# Altium PCB 中子法测量土壤水分_V1.5.PcbDoc
Units mil, origin at the board's own origin, x right, y up, seen from the top; angles counter-clockwise.
Board outline 3543.31 x 2393.7 mil, 4 copper layers (Top Layer, Signal Layer1, Signal Layer2, Bottom Layer), stack 30.634 mil thick; 164 components, 104 nets, 491 pads, 224 vias.
Unrouted connection lines stored in the file: 1.
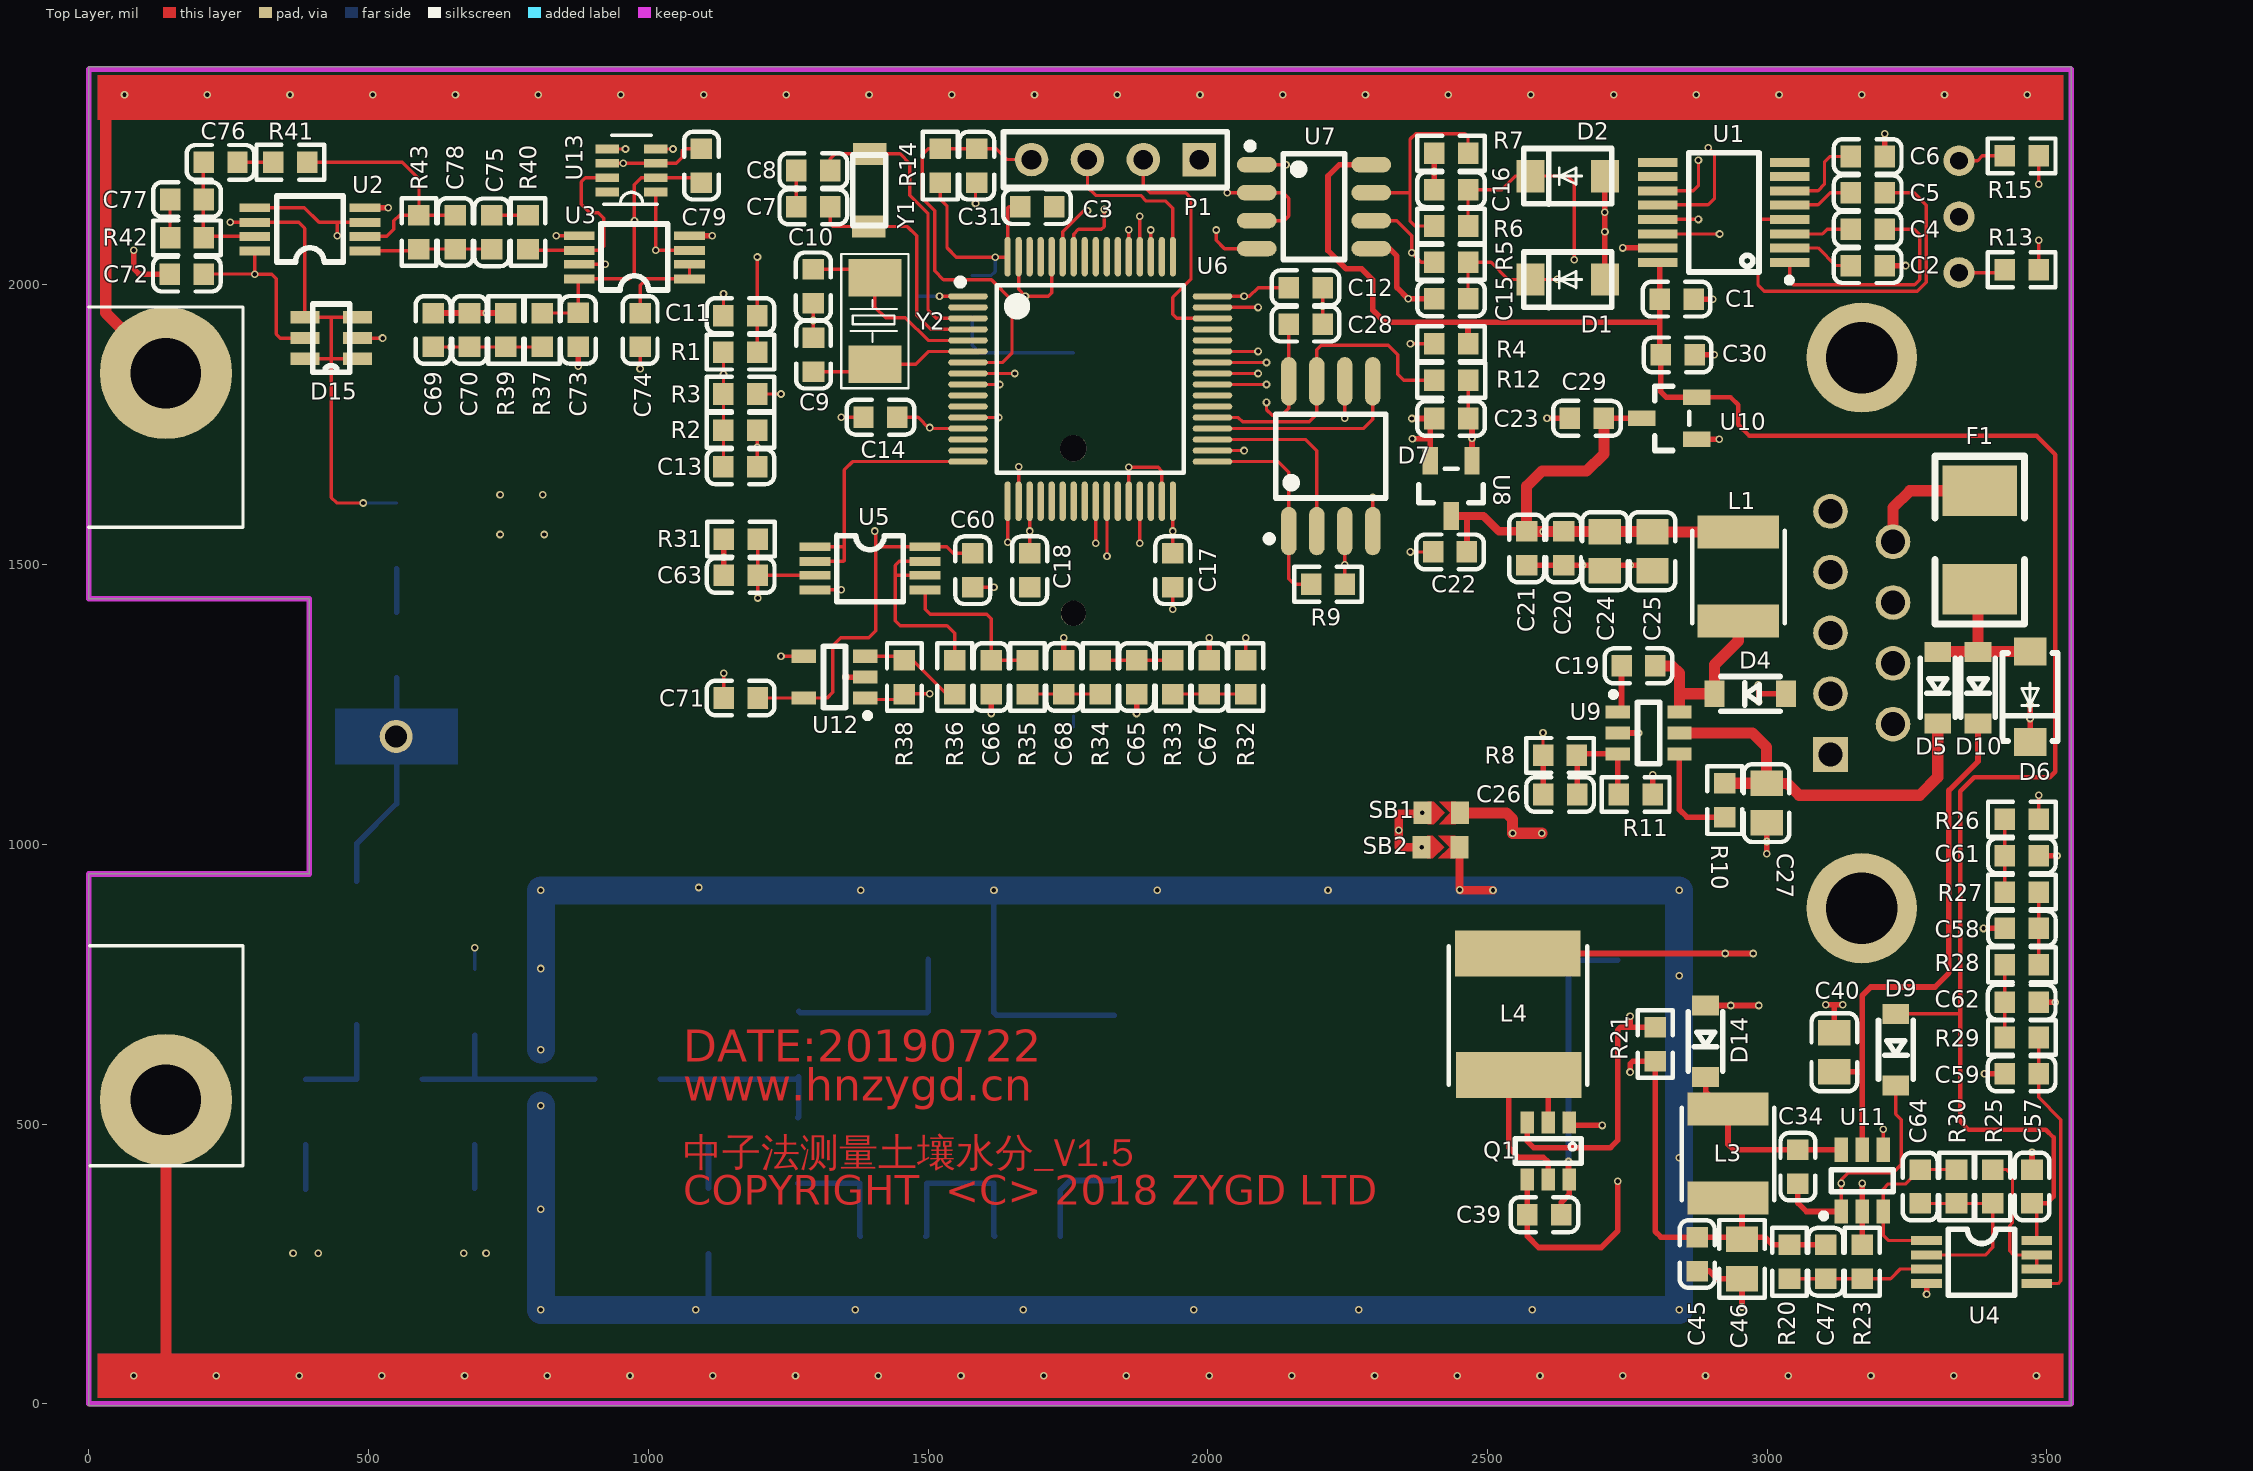
[diagram p0: Top Layer view]
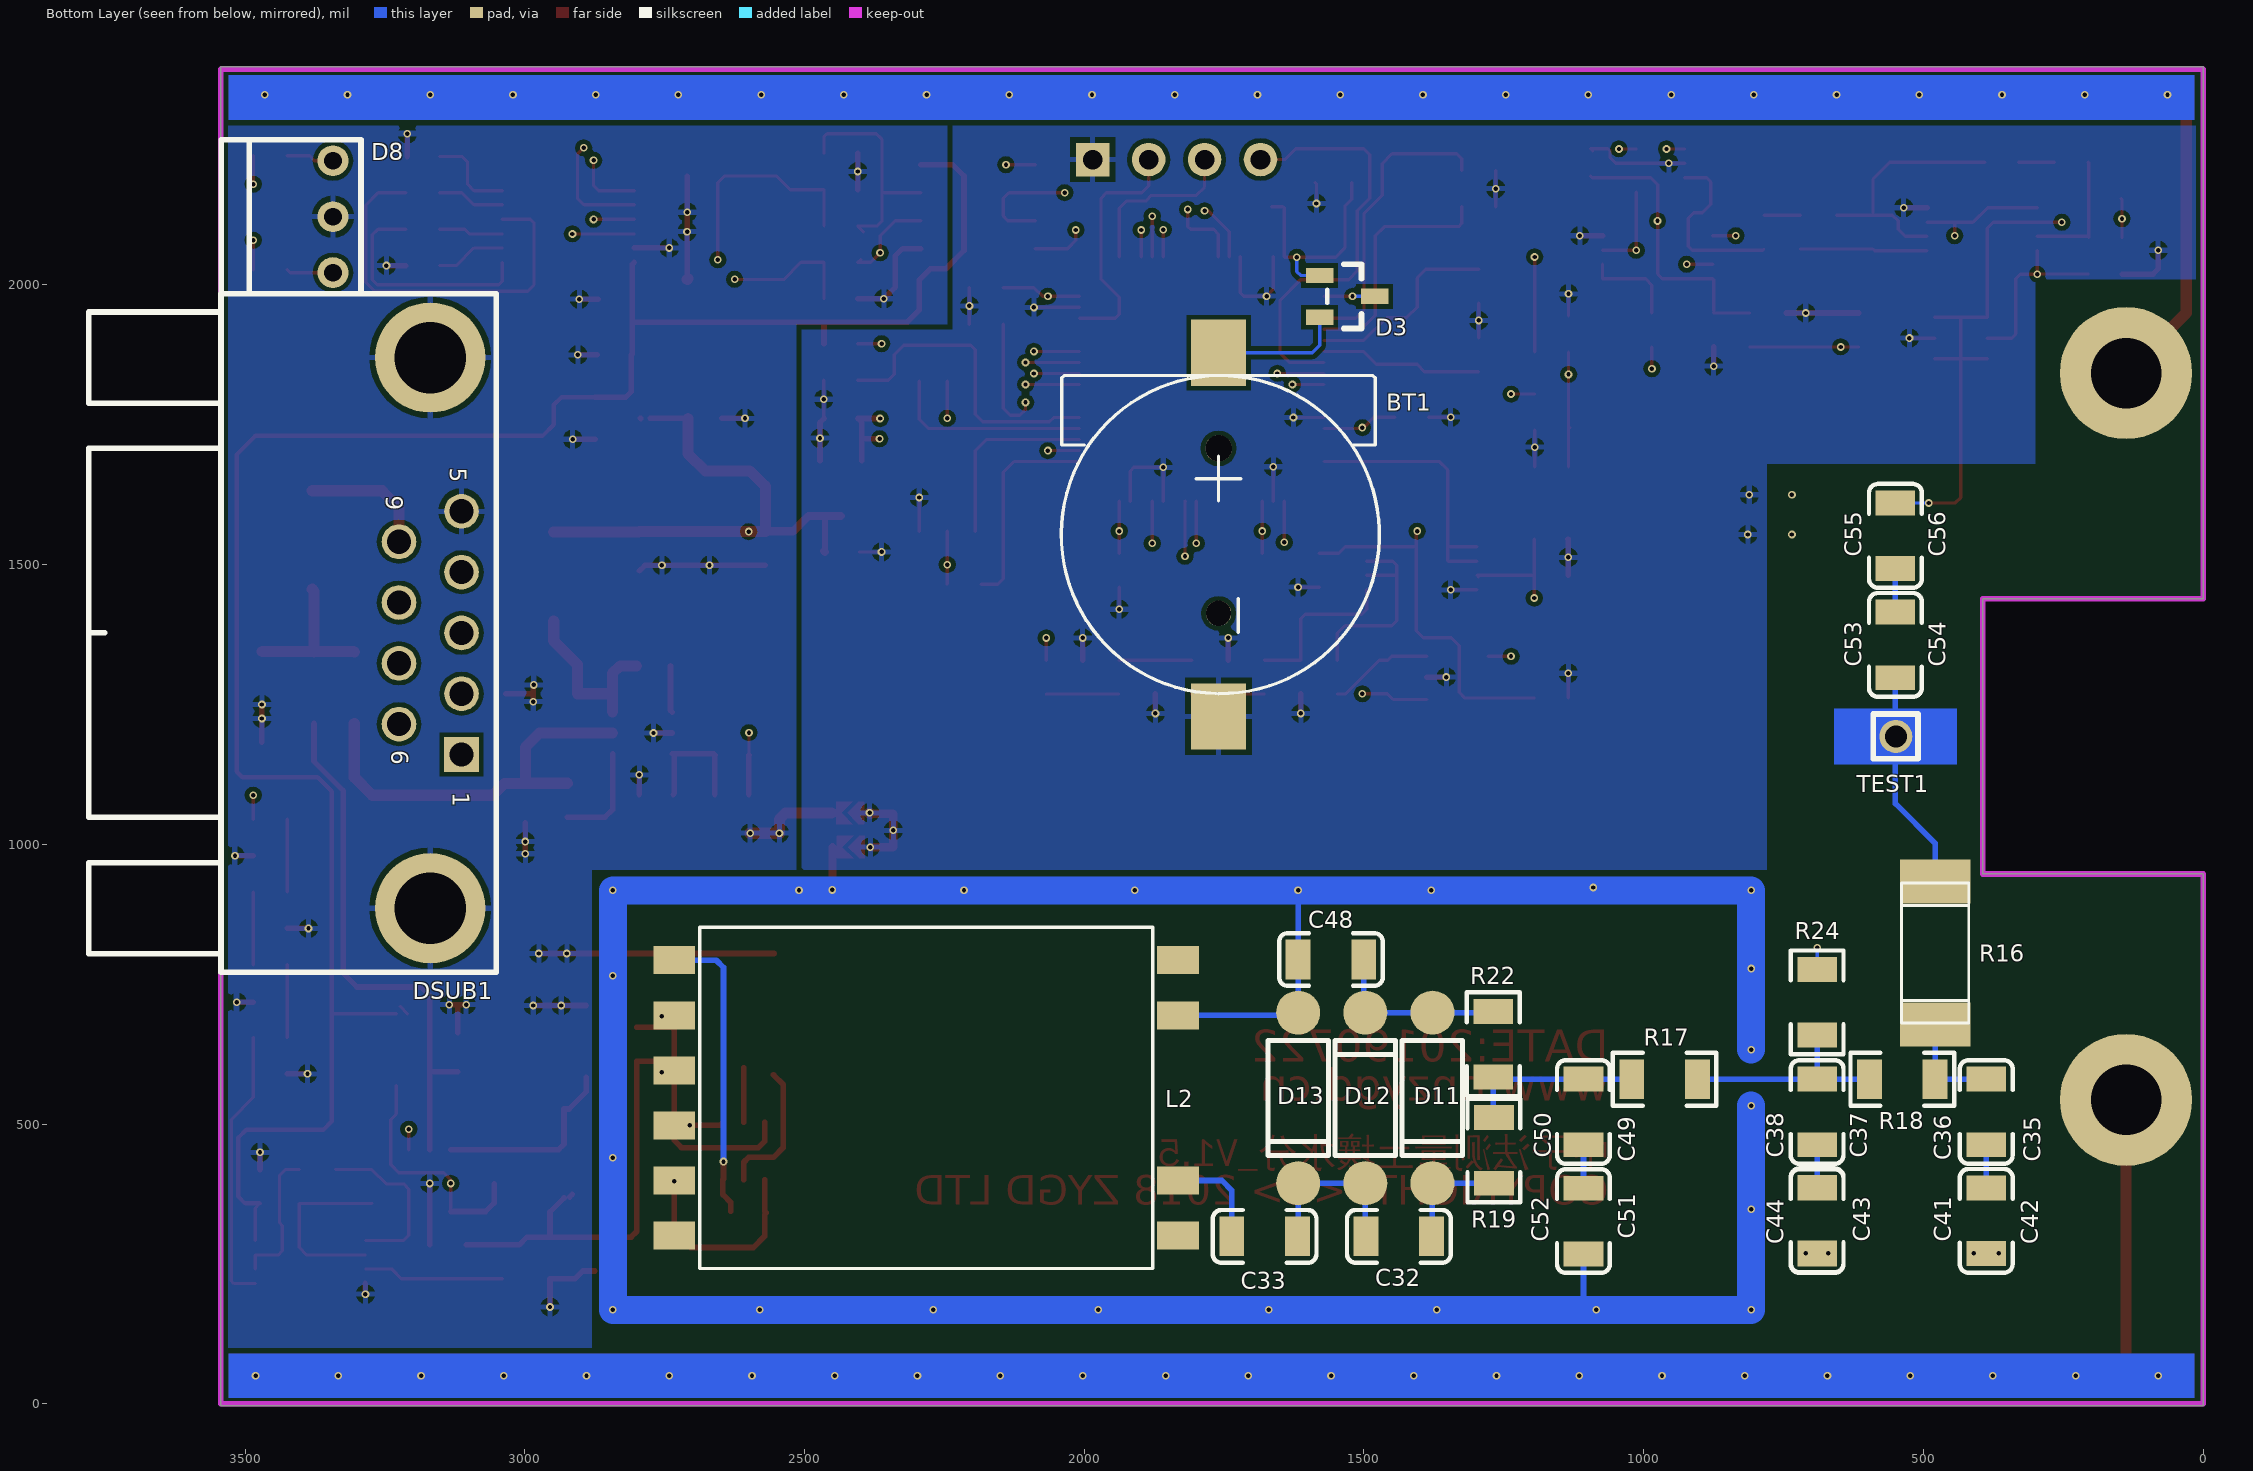
[diagram p1: Bottom Layer view, seen from below]
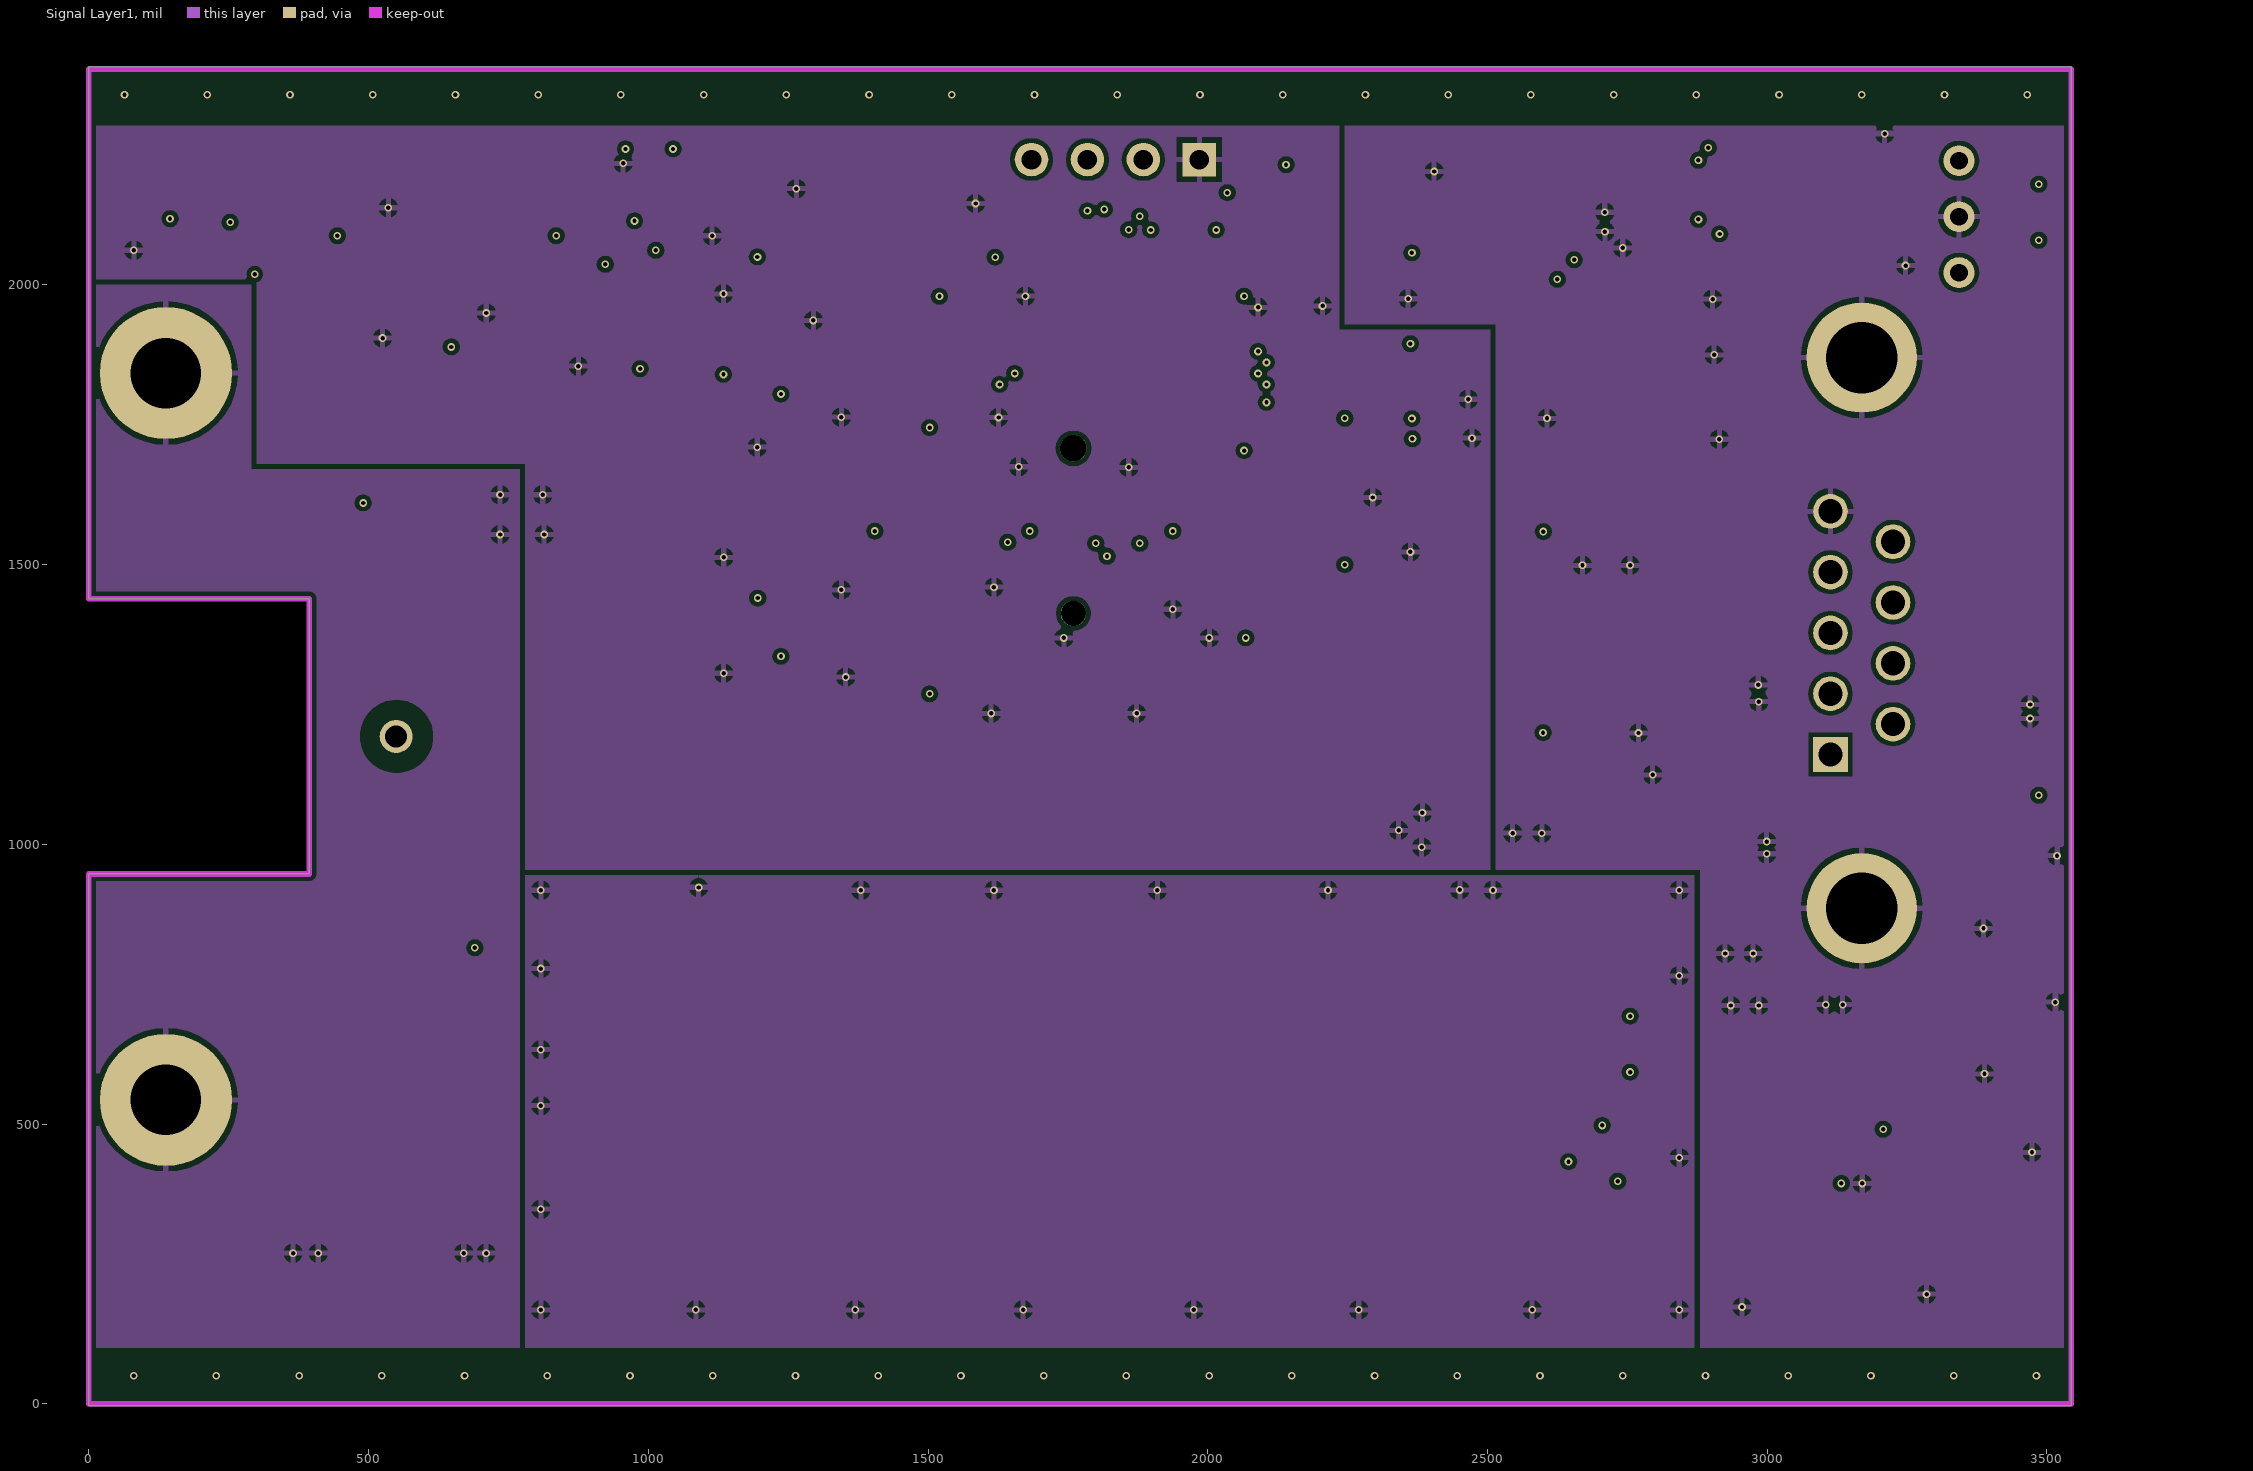
[diagram p2: Signal Layer1]
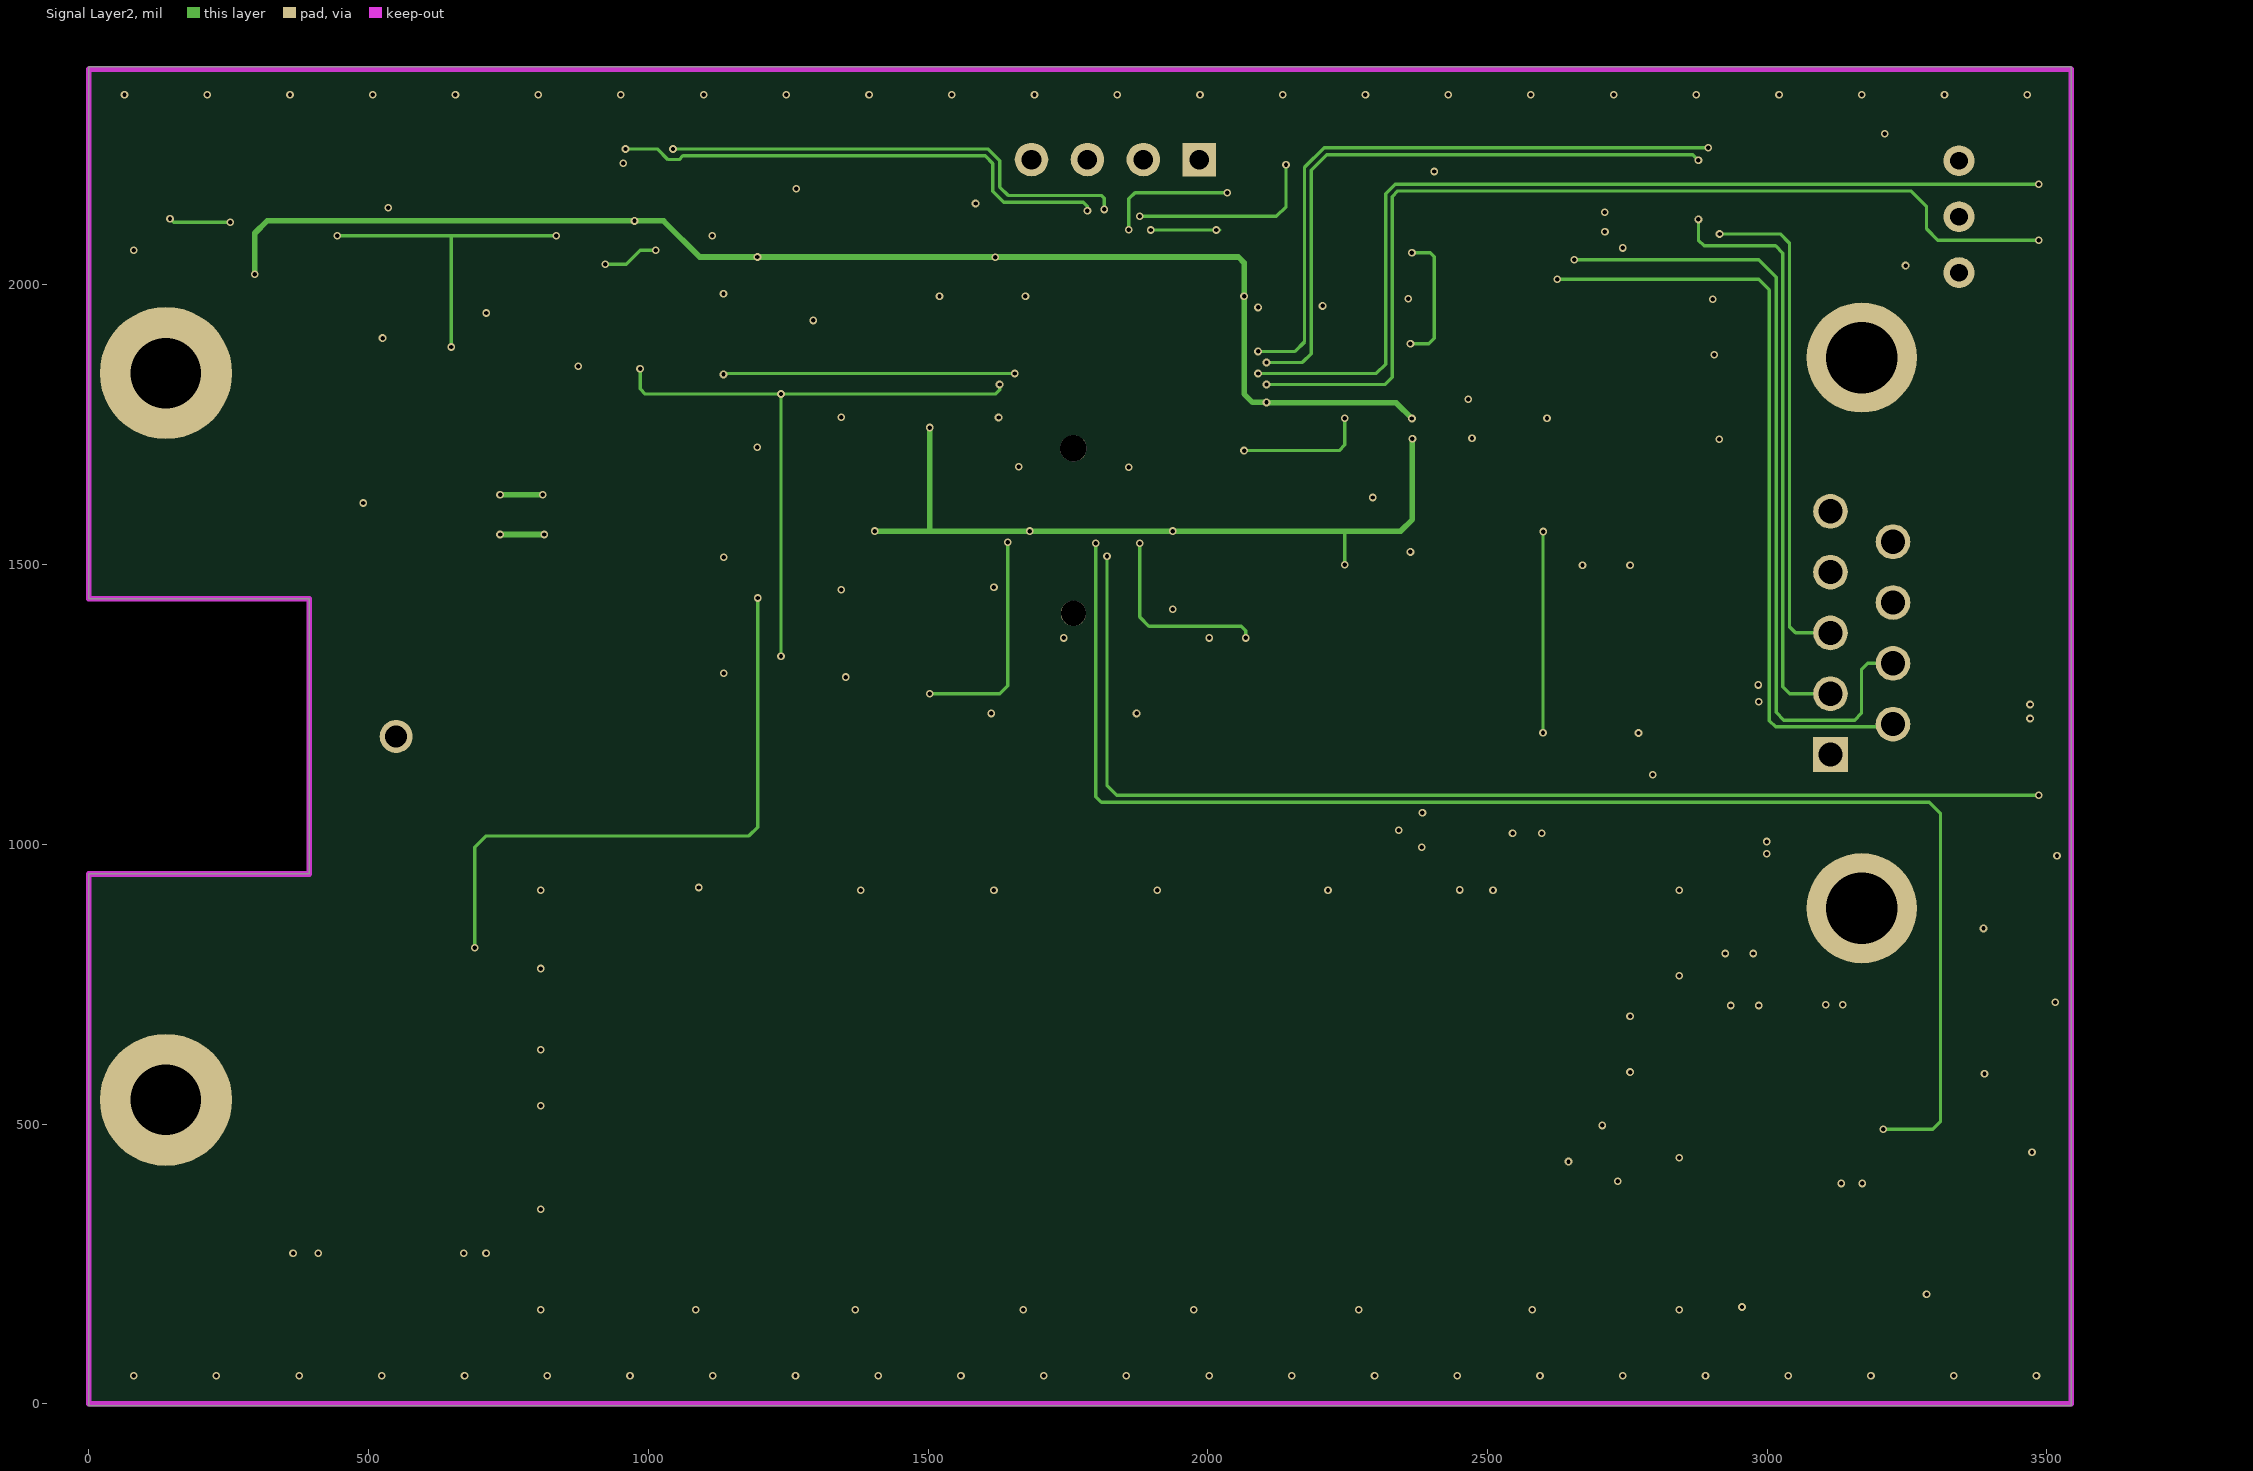
[diagram p3: Signal Layer2]